# Altium PCB nixie_clock.PcbDoc (part 2 of 2)
Units mm, origin at the board's own origin, x right, y up, seen from the top; angles counter-clockwise.
Board outline 218 x 79.99 mm, 2 copper layers (Top Layer, Bottom Layer); 125 components, 140 nets, 531 pads, 92 vias.
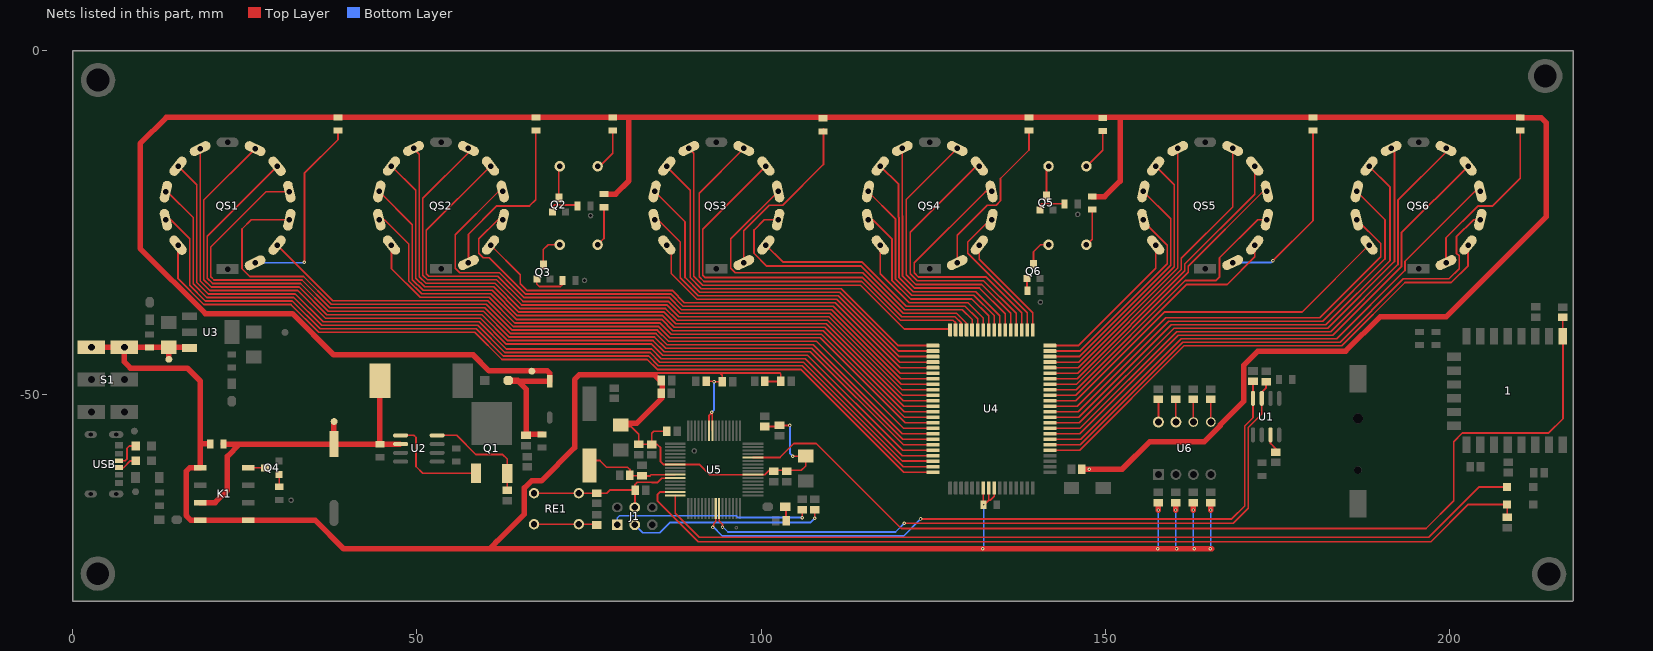
[diagram p2: the nets of this part, all layers, seen from the top]

## Via types
v1: diameter 0.5, hole 0.25, Top Layer to Bottom Layer, 88 vias
v2: diameter 1, hole 0.5, Top Layer to Bottom Layer, 4 vias

## Nets (pads, with @x,y where several pads share a name; then routed paths per layer and width w, separated by ;. In a path a pad name is that pad's centre, name@x,y a point inside that pad or via, vN(x,y) a via of type N, cw(c..) or ccw(c..) an arc to the next point about the centre after c; other vN are vias at no path point) (continued)
NetJ1_1: J1.1 R34.2 | length 29.4
  Top Layer w0.254: v1@105.969,-67.97 v1(105.969,-67.869) R34.2@105.969,-66.688
  Bottom Layer w0.254: J1.1@79.109,-68.874 79.109,-67.88 79.426,-67.564 96.368,-67.564 96.622,-67.818 105.816,-67.818 v1@105.969,-67.97
NetJ1_3: J1.3 R36.2 | length 28.7
  Top Layer w0.254: v1(107.798,-67.92) R36.2@107.798,-66.688
  Bottom Layer w0.254: J1.3@81.649,-68.874 82.818,-70.043 85.253,-70.043 86.741,-68.555 107.163,-68.555 v1(107.798,-67.92)
NetK1_8: K1.8 Q4.3 | length 2.4
  Top Layer w0.254: K1.8@25.527,-60.579 27.953,-60.579 Q4.3@27.965,-60.592
NetP1_1: P1.1 R39.2 | length 2.1
  Top Layer w0.254: P1.1@103.505,-66.243 103.62,-66.358 R39.2@103.62,-68.301
NetQ1_G: Q1.G U2.1 | length 15.7
  Top Layer w0.254: U2.1@47.638,-55.88 49.555,-55.88 49.86,-56.185 49.86,-60.401 50.854,-61.395 Q1.G@58.584,-61.395
NetQ1_S: Q1.S R13.2 U2.8 | length 16.1
  Top Layer w0.254: U2.8@52.946,-55.88 55.784,-55.88 58.578,-58.674 62.459,-58.674 63.105,-59.32 Q1.S@63.105,-61.42 63.105,-63.828 R13.2@63.144,-63.868
NetQ2_1: Q2.1 R11.2 | length 4.4
  Top Layer w0.254: Q2.1@69.672,-23.419 69.672,-22.733 70.002,-22.403 R11.2@73.279,-22.403
NetQ2_3: Q2.3 UP1.2 | length 4.6
  Top Layer w0.254: Q2.3@70.612,-21.387 70.612,-16.938 UP1.2@70.75,-16.8
NetQ3_1: Q3.1 R15.2 | length 5.3
  Top Layer w0.254: Q3.1@67.424,-33.172 67.424,-33.896 67.793,-34.265 70.866,-34.265 71.135,-33.995 R15.2@71.135,-33.376
NetQ3_3: Q3.3 UP2.2 | length 5
  Top Layer w0.254: Q3.3@68.364,-31.14 68.364,-28.892 69.057,-28.2 UP2.2@70.75,-28.2 UP2.2@70.828,-28.278
NetQ4_1: Q4.1 R17.2 | length 1.8
  Top Layer w0.254: R17.2@29.997,-63.348 Q4.1@29.997,-61.531
NetQ5_1: Q5.1 R18.2 | length 4.3
  Top Layer w0.254: Q5.1@140.5,-23.139 140.5,-22.517 140.767,-22.25 R18.2@144.034,-22.25
NetQ5_3: Q5.3 UP3.2 | length 4.4
  Top Layer w0.254: Q5.3@141.44,-21.107 141.44,-17.11 UP3.2@141.75,-16.8
NetQ6_1: Q6.1 R19.2 | length 1.8
  Top Layer w0.254: Q6.1@138.62,-33.071 138.62,-34.821 R19.2@138.674,-34.874
NetQ6_3: Q6.3 UP4.2 | length 4.4
  Top Layer w0.254: Q6.3@139.56,-31.039 139.56,-29.223 140.583,-28.2 UP4.2@141.75,-28.2 UP4.2@141.745,-28.205
NetQS1_2: QS1.2 R1.1 | length 28.3
  Top Layer w0.254: v1(33.655,-30.734) 33.655,-17.831 38.532,-12.954 R1.1@38.532,-11.608
  Bottom Layer w0.254: QS1.2@26.492,-30.814 33.575,-30.814 v1(33.655,-30.734)
NetQS2_2: QS2.2 R2.1 | length 25.9
  Top Layer w0.254: QS2.2@57.492,-30.789 57.492,-26.658 61.6,-22.55 66.35,-22.55 67.259,-21.641 R2.1@67.259,-11.684
NetQS3_2: QS3.2 R3.1 | length 25.4
  Top Layer w0.254: QS3.2@97.492,-30.789 97.492,-26.149 101.191,-22.45 103.133,-22.45 109.068,-16.516 ; 109.068,-16.535 109.068,-16.516 ; R3.1@109.068,-11.339 109.068,-16.516
NetQS4_2: QS4.2 R4.1 | length 24.3
  Top Layer w0.254: QS4.2@128.492,-30.789 128.492,-26.804 132.846,-22.45 134.133,-22.45 134.764,-21.819 134.764,-18.576 138.913,-14.427 R4.1@138.913,-11.593
NetQS5_2: QS5.2 R9.1 | length 27.3
  Top Layer w0.254: v1(174.346,-30.505) 180.162,-24.689 R9.1@180.162,-11.618
  Bottom Layer w0.254: QS5.2@168.492,-30.789 174.062,-30.789 v1(174.346,-30.505)
NetQS6_2: QS6.2 R10.1 | length 24.9
  Top Layer w0.254: QS6.2@199.492,-30.789 199.492,-27.203 204.145,-22.55 206.253,-22.55 210.261,-18.542 R10.1@210.261,-11.618
NetR7_2: R7.2 U1.3 | length 2.8
  Top Layer w0.254: U1.3@173.99,-55.816 173.99,-57.048 174.777,-57.836 R7.2@174.777,-58.305
NetR12_2: R12.2 UP1.1 | length 6.8
  Top Layer w0.254: UP1.1@76.25,-17.271 UP1.1@76.25,-16.8 76.57,-16.8 78.461,-14.91 R12.2@78.461,-11.593
NetR16_2: R16.2 UP2.1 | length 5.8
  Top Layer w0.254: UP2.1@76.25,-28.2 77.165,-27.285 R16.2@77.165,-22.743
NetR20_2: R20.2 UP4.1 | length 5.5
  Top Layer w0.254: UP4.1@147.244,-28.206 UP4.1@147.25,-28.2 148.082,-27.368 R20.2@148.082,-23.099
NetR21_2: R21.2 UP3.1 | length 6.1
  Top Layer w0.254: UP3.1@147.25,-16.8 147.284,-16.8 149.631,-14.453 R21.2@149.631,-11.669
NetR31_1: R31.1 USB.B5 | length 2.8
  Top Layer w0.254: USB.B5@6.724,-60.571 7.374,-60.571 8.357,-59.588 R31.1@9.144,-59.588
NetR32_2: R32.2 USB.A5 | length 4.2
  Top Layer w0.254: USB.A5@6.724,-59.571 7.612,-59.571 7.874,-59.309 7.874,-57.785 8.23,-57.429 R32.2@9.144,-57.429
NetR37_1: R37.1 RE1.3 RE1.4 | length 9.2
  Top Layer w0.254: RE1.3@66.938,-68.784 RE1.3@67.014,-68.784 RE1.4@73.514,-68.784 75.985,-68.784 R37.1@76.098,-68.898
NetR49_1: R49.1 U6.8 | length 3.3
  Top Layer w0.254: U6.8@157.709,-53.95 R49.1@157.709,-50.661
NetR50_1: R50.1 U6.7 | length 3.3
  Top Layer w0.254: R50.1@160.24,-50.661 160.24,-53.941 U6.7@160.249,-53.95
NetR51_1: R51.1 U6.6 | length 3.3
  Top Layer w0.254: R51.1@162.772,-50.661 162.772,-53.933 U6.6@162.789,-53.95
NetR52_1: R52.1 U6.5 | length 3.3
  Top Layer w0.254: R52.1@165.303,-50.661 165.303,-53.924 U6.5@165.329,-53.95
NH1_0: QS1.3 U4.15 | length 105.9
  Top Layer w0.254: QS1.3@29.693,-28.262 37.771,-36.34 60.296,-36.34 64.037,-40.081 85.142,-40.081 86.754,-41.693 108.564,-41.693 120.916,-54.045 U4.15@124.962,-54.045
NH1_1: QS1.13 U4.24 | length 126.2
  Top Layer w0.254: QS1.13@15.307,-28.262 15.307,-33.119 19.059,-36.87 31.7,-36.87 35.741,-40.912 58.402,-40.912 62.353,-44.863 83.458,-44.863 84.9,-46.304 105.766,-46.304 120.706,-61.245 U4.24@124.962,-61.245
NH1_2: QS1.12 U4.23 | length 130.3
  Top Layer w0.254: QS1.12@13.531,-24.573 14.26,-24.573 17.002,-27.315 17.002,-34.095 19.269,-36.362 31.91,-36.362 35.951,-40.404 58.612,-40.404 62.564,-44.355 83.669,-44.355 85.07,-45.757 105.947,-45.757 120.635,-60.445 U4.23@124.962,-60.445
NH1_3: QS1.11 U4.22 | length 133.2
  Top Layer w0.254: QS1.11@13.531,-20.478 13.747,-20.478 17.51,-24.241 17.51,-33.885 19.48,-35.854 32.121,-35.854 36.162,-39.896 58.823,-39.896 62.774,-43.847 83.879,-43.847 85.281,-45.249 106.158,-45.249 120.523,-59.614 U4.22@124.917,-59.614
NH1_4: QS1.10 U4.21 | length 135.6
  Top Layer w0.254: QS1.10@15.307,-16.789 18.018,-19.5 18.018,-33.675 19.69,-35.346 32.331,-35.346 36.372,-39.388 59.033,-39.388 62.985,-43.339 84.089,-43.339 85.491,-44.741 106.412,-44.741 120.523,-58.852 U4.21@125.171,-58.852
NH1_5: QS1.9 U4.20 | length 135.9
  Top Layer w0.254: QS1.9@18.508,-14.236 18.526,-14.254 18.526,-33.464 19.901,-34.838 32.678,-34.838 36.719,-38.88 59.244,-38.88 62.985,-42.621 84.09,-42.621 85.702,-44.233 106.742,-44.233 120.554,-58.045 U4.20@124.962,-58.045
NH1_6: QS1.7 U4.19 | length 138
  Top Layer w0.254: QS1.7@26.492,-14.236 19.034,-21.694 19.034,-33.254 20.111,-34.33 32.888,-34.33 36.929,-38.372 59.454,-38.372 63.196,-42.113 84.301,-42.113 85.912,-43.725 107.159,-43.725 120.679,-57.245 U4.19@124.962,-57.245
NH1_7: QS1.6 U4.18 | length 135.6
  Top Layer w0.254: QS1.6@29.693,-16.789 19.542,-26.94 19.542,-33.043 20.321,-33.822 33.098,-33.822 37.14,-37.864 59.665,-37.864 63.406,-41.605 84.511,-41.605 86.122,-43.217 107.37,-43.217 120.598,-56.445 U4.18@124.962,-56.445
NH1_8: QS1.5 U4.17 | length 133.4
  Top Layer w0.254: QS1.5@31.469,-20.478 28.087,-20.478 20.05,-28.515 20.05,-32.833 20.532,-33.314 33.309,-33.314 37.35,-37.356 59.875,-37.356 63.617,-41.097 84.721,-41.097 86.333,-42.709 107.58,-42.709 120.516,-55.645 U4.17@124.962,-55.645
NH1_9: QS1.4 U4.16 | length 123
  Top Layer w0.254: QS1.4@31.469,-24.573 25.923,-24.573 24.585,-25.91 24.585,-31.659 25.732,-32.806 33.519,-32.806 37.56,-36.848 60.085,-36.848 63.827,-40.589 84.932,-40.589 86.543,-42.201 108.037,-42.201 120.675,-54.839 U4.16@124.816,-54.839
NH2_0: QS2.3 U4.5 | length 72.4
  Top Layer w0.254: QS2.3@60.693,-28.236 65.024,-32.567 65.024,-33.884 65.964,-34.823 87.069,-34.823 88.858,-36.613 110.755,-36.613 120.187,-46.045 U4.5@124.962,-46.045
NH2_1: QS2.13 U4.14 | length 91
  Top Layer w0.254: QS2.13@46.307,-28.236 46.307,-31.656 50.482,-35.832 60.506,-35.832 64.248,-39.573 85.353,-39.573 86.964,-41.185 108.774,-41.185 120.834,-53.245 U4.14@124.962,-53.245
NH2_2: QS2.12 U4.13 | length 95.1
  Top Layer w0.254: QS2.12@44.531,-24.547 45.299,-24.547 48.832,-28.08 48.832,-33.462 50.693,-35.324 60.717,-35.324 64.433,-39.04 85.538,-39.04 87.175,-40.677 109.014,-40.677 120.782,-52.445 U4.13@124.962,-52.445
NH2_3: QS2.11 U4.12 | length 98
  Top Layer w0.254: QS2.11@44.531,-20.453 49.34,-25.262 49.34,-33.252 50.903,-34.816 60.927,-34.816 64.592,-38.481 85.697,-38.481 87.385,-40.169 109.224,-40.169 120.7,-51.645 U4.12@124.962,-51.645
NH2_4: QS2.10 U4.11 | length 100.2
  Top Layer w0.254: QS2.10@46.307,-16.764 49.848,-20.304 49.848,-33.042 51.113,-34.308 61.137,-34.308 64.803,-37.973 85.908,-37.973 87.595,-39.661 109.435,-39.661 120.619,-50.845 U4.11@124.962,-50.845
NH2_5: QS2.9 U4.10 | length 100.7
  Top Layer w0.254: QS2.9@49.508,-14.211 50.356,-15.058 50.356,-32.831 51.324,-33.8 61.348,-33.8 65.013,-37.465 86.118,-37.465 87.806,-39.153 109.645,-39.153 120.537,-50.045 U4.10@124.962,-50.045
NH2_6: QS2.7 U4.9 | length 102.1
  Top Layer w0.254: QS2.7@57.492,-14.211 57.492,-14.822 50.864,-21.45 50.864,-32.621 51.534,-33.292 61.558,-33.292 65.198,-36.932 86.303,-36.932 88.016,-38.645 109.856,-38.645 120.456,-49.245 U4.9@124.962,-49.245
NH2_7: QS2.6 U4.8 | length 99.7
  Top Layer w0.254: QS2.6@60.693,-16.764 51.372,-26.085 51.372,-32.41 51.745,-32.784 61.769,-32.784 65.409,-36.424 86.514,-36.424 88.227,-38.137 110.066,-38.137 120.374,-48.445 U4.8@124.962,-48.445
NH2_8: QS2.5 U4.7 | length 90.3
  Top Layer w0.254: QS2.5@62.469,-20.453 61.856,-20.453 55.585,-26.724 55.585,-31.633 56.227,-32.276 61.994,-32.276 63.932,-34.214 ; 64.008,-34.304 65.543,-35.839 86.648,-35.839 88.437,-37.629 110.276,-37.629 120.292,-47.645 U4.7@124.962,-47.645
NH2_9: QS2.4 U4.6 | length 79.9
  Top Layer w0.254: QS2.4@62.469,-24.547 61.775,-24.547 58.998,-27.324 58.998,-29.409 59.662,-30.074 60.496,-30.074 62.19,-31.768 62.204,-31.768 64.44,-34.003 64.44,-34.018 65.753,-35.331 86.858,-35.331 88.647,-37.121 110.487,-37.121 120.211,-46.845 U4.6@124.962,-46.845
NH3_0: QS3.3 U4.75 | length 36.8
  Top Layer w0.254: QS3.3@100.693,-28.236 103.14,-30.683 114.63,-30.683 121.082,-37.135 129.616,-37.135 131.452,-38.97 U4.75@131.452,-40.555
NH3_1: QS3.13 U4.4 | length 47.7
  Top Layer w0.254: QS3.13@86.307,-28.236 86.944,-28.873 86.944,-32.37 90.679,-36.105 111.013,-36.105 120.153,-45.245 U4.4@124.962,-45.245
NH3_2: QS3.12 U4.3 | length 51.7
  Top Layer w0.254: QS3.12@84.531,-24.547 85.025,-24.547 88.265,-27.788 88.265,-32.973 90.889,-35.597 111.223,-35.597 120.071,-44.445 U4.3@124.962,-44.445
NH3_3: QS3.11 U4.2 | length 54.9
  Top Layer w0.254: QS3.11@84.531,-20.453 88.951,-24.873 88.951,-32.94 91.099,-35.089 111.434,-35.089 119.982,-43.637 124.358,-43.637 124.51,-43.789 124.818,-43.789 U4.2@124.962,-43.645
NH3_4: QS3.10 U4.1 | length 57
  Top Layer w0.254: QS3.10@86.307,-16.764 86.307,-16.889 89.687,-20.269 89.687,-32.958 91.31,-34.581 111.644,-34.581 119.908,-42.845 U4.1@124.962,-42.845
NH3_5: QS3.9 U4.80 | length 59.7
  Top Layer w0.254: QS3.9@89.508,-14.211 90.195,-14.898 90.195,-32.748 91.52,-34.073 114.428,-34.073 120.792,-40.437 127.192,-40.437 127.452,-40.177 U4.80@127.452,-40.555
NH3_6: QS3.7 U4.79 | length 62.3
  Top Layer w0.254: QS3.7@97.492,-14.211 91.011,-20.692 91.011,-32.845 91.694,-33.528 114.601,-33.528 120.24,-39.167 127.878,-39.167 128.252,-39.541 U4.79@128.252,-40.555
NH3_7: QS3.6 U4.78 | length 61.1
  Top Layer w0.254: QS3.6@100.693,-16.764 91.519,-25.938 91.519,-32.616 91.872,-32.969 114.761,-32.969 120.451,-38.659 128.161,-38.659 129.052,-39.549 U4.78@129.052,-40.555
NH3_8: QS3.5 U4.77 | length 52.5
  Top Layer w0.254: QS3.5@102.469,-20.453 95.585,-27.337 95.585,-31.633 96.227,-32.276 114.786,-32.276 120.661,-38.151 128.372,-38.151 129.852,-39.631 U4.77@129.852,-40.555
NH3_9: QS3.4 U4.76 | length 44.7
  Top Layer w0.254: QS3.4@102.469,-24.547 100.472,-24.547 98.958,-26.06 98.958,-29.439 100.813,-31.293 114.521,-31.293 120.871,-37.643 129.235,-37.643 130.652,-39.059 U4.76@130.652,-40.555
NH4_0: QS4.3 U4.65 | length 15.5
  Top Layer w0.254: QS4.3@131.693,-28.236 131.693,-30.296 139.452,-38.055 U4.65@139.452,-40.555
NH4_1: QS4.13 U4.74 | length 23.5
  Top Layer w0.254: QS4.13@117.307,-28.236 117.307,-32.395 121.539,-36.627 130.048,-36.627 132.252,-38.83 U4.74@132.252,-40.555
NH4_2: QS4.12 U4.73 | length 28.9
  Top Layer w0.254: QS4.12@115.531,-24.547 116.241,-24.547 119.002,-27.308 119.002,-29.409 118.999,-29.413 118.999,-33.348 121.719,-36.068 130.607,-36.068 133.052,-38.513 U4.73@133.052,-40.555
NH4_3: QS4.11 U4.72 | length 33
  Top Layer w0.254: QS4.11@115.531,-20.453 119.51,-24.432 119.51,-29.62 119.507,-29.623 119.507,-33.138 121.904,-35.535 130.912,-35.535 133.852,-38.475 U4.72@133.852,-40.555
NH4_4: QS4.10 U4.71 | length 36.3
  Top Layer w0.254: QS4.10@117.307,-16.764 119.964,-19.421 119.964,-24.168 120.018,-24.222 120.018,-32.931 122.114,-35.027 131.166,-35.027 134.652,-38.513 U4.71@134.652,-40.555
NH4_5: QS4.9 U4.70 | length 38.1
  Top Layer w0.254: QS4.9@120.508,-14.211 120.508,-23.994 120.526,-24.011 120.526,-32.72 122.299,-34.493 131.724,-34.493 135.452,-38.22 U4.70@135.452,-40.555
NH4_6: QS4.7 U4.69 | length 41.3
  Top Layer w0.254: QS4.7@128.492,-14.211 121.082,-21.621 121.082,-32.557 122.484,-33.96 132.055,-33.96 136.252,-38.157 U4.69@136.252,-40.555
NH4_7: QS4.6 U4.68 | length 40.2
  Top Layer w0.254: QS4.6@131.693,-16.764 131.267,-16.764 121.666,-26.365 121.666,-32.423 122.669,-33.426 132.309,-33.426 137.052,-38.169 U4.68@137.052,-40.555
NH4_8: QS4.5 U4.67 | length 37.5
  Top Layer w0.254: QS4.5@133.469,-20.453 132.608,-20.453 122.25,-30.81 122.25,-32.289 122.854,-32.893 132.69,-32.893 137.852,-38.055 U4.67@137.852,-40.555
NH4_9: QS4.4 U4.66 | length 21.2
  Top Layer w0.254: QS4.4@133.469,-24.547 133.238,-24.547 129.998,-27.787 129.998,-29.409 138.652,-38.063 U4.66@138.652,-40.555
NH5_0: QS5.3 U4.55 | length 39.8
  Top Layer w0.254: U4.55@141.942,-50.045 145.688,-50.045 161.747,-33.985 167.665,-33.985 171.693,-29.958 QS5.3@171.693,-28.236
NH5_1: QS5.13 U4.64 | length 23.4
  Top Layer w0.254: U4.64@141.942,-42.845 146.055,-42.845 157.307,-31.593 QS5.13@157.307,-28.236
NH5_2: QS5.12 U4.63 | length 30.2
  Top Layer w0.254: U4.63@141.942,-43.645 146.304,-43.645 159.002,-30.946 159.002,-28.244 155.531,-24.773 QS5.12@155.531,-24.547
NH5_3: QS5.11 U4.62 | length 35.4
  Top Layer w0.254: U4.62@141.942,-44.445 146.223,-44.445 159.51,-31.157 159.51,-24.432 QS5.11@155.531,-20.453
NH5_4: QS5.10 U4.61 | length 39.6
  Top Layer w0.254: U4.61@141.942,-45.245 146.141,-45.245 160.018,-31.367 160.018,-19.475 QS5.10@157.307,-16.764
NH5_5: QS5.9 U4.60 | length 42
  Top Layer w0.254: U4.60@141.942,-46.045 146.059,-46.045 160.526,-31.578 160.526,-19.265 160.508,-19.247 QS5.9@160.508,-14.211
NH5_6: QS5.7 U4.59 | length 46
  Top Layer w0.254: U4.59@141.942,-46.845 145.978,-46.845 161.034,-31.788 161.034,-30.172 168.492,-22.714 QS5.7@168.492,-14.211
NH5_7: QS5.6 U4.58 | length 45.5
  Top Layer w0.254: U4.58@141.942,-47.645 145.896,-47.645 161.542,-31.999 161.542,-30.99 171.693,-20.839 QS5.6@171.693,-16.764
NH5_8: QS5.5 U4.57 | length 43.6
  Top Layer w0.254: U4.57@141.942,-48.445 145.815,-48.445 162.05,-32.209 162.05,-31.311 172.908,-20.453 QS5.5@173.469,-20.453
NH5_9: QS5.4 U4.56 | length 43.4
  Top Layer w0.254: U4.56@141.942,-49.245 145.769,-49.245 161.638,-33.376 166.091,-33.376 166.573,-32.893 166.573,-30.124 172.15,-24.547 QS5.4@173.469,-24.547
NH6_0: QS6.3 U4.45 | length 74.9
  Top Layer w0.254: U4.45@141.942,-58.045 146.262,-58.045 161.431,-42.875 184.328,-42.875 193.523,-33.68 200.254,-33.68 202.693,-31.241 QS6.3@202.693,-28.236
NH6_1: QS6.13 U4.54 | length 55.7
  Top Layer w0.254: U4.54@141.942,-50.845 145.683,-50.845 158.554,-37.973 178.57,-37.973 QS6.13@188.307,-28.236
NH6_2: QS6.12 U4.53 | length 63.9
  Top Layer w0.254: U4.53@141.942,-51.645 145.899,-51.645 158.757,-38.786 181.153,-38.786 190.002,-29.936 190.002,-28.019 QS6.12@186.531,-24.547
NH6_3: QS6.11 U4.52 | length 69.4
  Top Layer w0.254: U4.52@141.942,-52.445 146.056,-52.445 159.207,-39.294 181.585,-39.294 190.627,-30.251 190.627,-24.549 QS6.11@186.531,-20.453
NH6_4: QS6.10 U4.51 | length 73.8
  Top Layer w0.254: U4.51@141.942,-53.245 146.12,-53.245 159.563,-39.802 182.042,-39.802 191.364,-30.48 191.364,-19.82 QS6.10@188.307,-16.764
NH6_5: QS6.9 U4.50 | length 76.4
  Top Layer w0.254: U4.50@141.942,-54.045 146.234,-54.045 159.969,-40.31 182.296,-40.31 191.995,-30.611 191.995,-14.698 QS6.9@191.508,-14.211
NH6_6: QS6.7 U4.49 | length 80.2
  Top Layer w0.254: U4.49@141.942,-54.845 146.323,-54.845 160.35,-40.818 182.753,-40.818 192.503,-31.068 192.503,-21.721 199.492,-14.732 QS6.7@199.492,-14.211
NH6_7: QS6.6 U4.48 | length 79.7
  Top Layer w0.254: U4.48@141.942,-55.645 146.285,-55.645 160.604,-41.326 183.058,-41.326 193.011,-31.373 193.011,-26.446 QS6.6@202.693,-16.764
NH6_8: QS6.5 U4.47 | length 78.2
  Top Layer w0.254: U4.47@141.942,-56.445 146.425,-56.445 161.036,-41.834 183.617,-41.834 193.519,-31.931 193.519,-30.619 203.685,-20.453 QS6.5@204.469,-20.453
NH6_9: QS6.4 U4.46 | length 79.3
  Top Layer w0.254: U4.46@141.942,-57.245 146.344,-57.245 161.246,-42.342 184.099,-42.342 193.294,-33.147 199.923,-33.147 201.399,-31.672 201.399,-29.81 200.998,-29.409 200.998,-27.043 203.494,-24.547 QS6.4@204.469,-24.547
RESET: C12.2 J1.4 R35.1 RE1.1 RE1.2 U5.11 | length 24.5
  Top Layer w0.254: RE1.1@66.938,-64.284 RE1.1@67.014,-64.284 RE1.2@73.514,-64.284 76.113,-64.284 C12.2@76.124,-64.274 77.585,-64.274 78.029,-63.83 R35.1@81.675,-63.83 ; J1.4@81.675,-66.334 R35.1@81.675,-63.83 ; U5.11@87.512,-62.097 85.578,-62.097 84.963,-62.713 84.107,-62.713 84.081,-62.687 82.017,-62.687 81.675,-63.029 R35.1@81.675,-63.83
RESET_ESP: 1.9 R30.2 U5.44 | length 150
  Top Layer w0.254: U5.44@98.812,-59.097 102.726,-59.097 ; 102.718,-59.106 102.726,-59.097 ; R30.2@216.459,-38.748 216.459,-41.703 216.485,-41.729 216.485,-53.466 214.427,-55.524 201.873,-55.524 200.603,-56.794 200.603,-65.386 196.571,-69.418 120.342,-69.418 107.988,-57.064 104.759,-57.064 102.726,-59.097
RXD1: D2.2 U5.16 | length 127.9
  Top Layer w0.254: U5.16@87.512,-64.597 87.512,-65.482 87.521,-65.492 87.521,-67.176 91.034,-70.688 196.977,-70.688 204.267,-63.398 D2.2@208.356,-63.398
SCL: R6.1 U1.8 U5.25 | length 101.2
  Top Layer w0.254: v1(92.977,-69.253) 92.977,-69.101 93.116,-68.961 93.116,-68.682 93.412,-68.386 U5.25@93.412,-66.497 ; v1(123.165,-68.021) 168.377,-68.021 170.261,-66.137 170.261,-54.524 171.45,-53.335 U1.8@171.45,-50.508 R6.1@171.45,-48.031
  Bottom Layer w0.254: v1@92.977,-69.101 94.386,-70.51 120.675,-70.51 v1(123.165,-68.021)
SDA: R5.1 U1.7 U5.26 | length 100.6
  Top Layer w0.254: U5.26@93.912,-66.497 93.912,-68.334 94.386,-68.809 v1(94.386,-69.24) ; v1@120.752,-68.656 v1(120.777,-68.656) 168.58,-68.656 170.769,-66.467 170.769,-54.734 172.72,-52.783 U1.7@172.72,-50.508 172.72,-49.606 173.355,-48.971 R5.1@173.355,-48.082
  Bottom Layer w0.254: v1@94.386,-69.113 95.195,-69.922 119.511,-69.922 v1(120.777,-68.656)
TXD1: D3.1 R24.2 U5.15 | length 133.6
  Top Layer w0.254: U5.15@87.512,-64.097 85.356,-64.097 84.938,-64.516 84.938,-65.38 90.881,-71.323 197.307,-71.323 202.717,-65.913 D3.1@208.356,-65.913 208.382,-65.938 R24.2@208.382,-67.793
VCC: C8.1 C10.1 C11.1 C13.2 C14.1 C15.1 C16.1 C17.1 C18.1 C19.1 K1.1 K1.4 K1.5 R27.1 R41.2 R42.2 R43.2 R44.2 R45.2 R46.2 R47.2 R53.1 R54.1 R55.1 R56.1 R101.2 S1.3 S1.4 TS_USBPOWERIN_1.1 U3.3 U4.31 U4.32 U4.33 U5.7 U5.39 U5.57 U5.58 | length 381.1
  Top Layer w0.254: C16.1@79.603,-54.385 79.803,-54.585 81.077,-54.585 82.22,-55.728 C14.1@82.22,-57.187 C15.1@84.099,-57.187 ; C15.1@84.099,-57.213 C15.1@84.099,-57.187 ; 84.353,-46.965 84.506,-46.812 102.692,-46.812 102.857,-46.977 R45.2@102.857,-47.625 ; R41.2@86.296,-55.296 84.404,-55.296 84.099,-55.601 C15.1@84.099,-57.187 ; C11.1@92.026,-48.006 v1@93.167,-48.006 ; U5.58@92.412,-55.197 92.412,-53.01 v1@92.874,-52.548 ; v1(92.836,-52.51) v1@92.874,-52.548 ; U5.57@92.912,-55.197 92.912,-52.586 v1@92.874,-52.548 ; v1(93.167,-48.082) C10.1@94.348,-48.082 94.348,-47.129 94.144,-46.925 ; R47.2@100.508,-54.598 102.513,-54.598 R46.2@102.667,-54.444 v1(104.177,-54.444) ; R44.2@100.521,-47.549 101.029,-48.057 102.425,-48.057 R45.2@102.857,-47.625 ; R45.2@102.857,-48.006 R45.2@102.857,-47.625 ; v1(104.575,-58.906) C19.1@106.477,-58.906 106.477,-60.325 105.855,-60.947 101.194,-60.947 100.544,-61.597 U5.39@98.812,-61.597 92.509,-61.597 91.009,-60.097 U5.7@87.512,-60.097 85.777,-60.097 85.395,-59.715 85.395,-57.709 84.899,-57.213 84.531,-57.213 84.506,-57.187 C15.1@84.099,-57.187 ; U4.31@132.252,-63.535 132.252,-65.891 v1(132.324,-65.964) 132.385,-65.964 133.052,-65.297 ; U4.32@133.052,-63.535 133.052,-65.297 ; U4.33@133.852,-63.535 133.852,-64.726 133.629,-64.948 133.622,-64.948 133.272,-65.297 133.052,-65.297
  Top Layer w0.8: S1.4@2.718,-43.077 S1.3@7.493,-43.077 ; TS_USBPOWERIN_1.1@13.97,-44.831 C8.1@13.97,-43.077 ; C8.1@13.97,-43.075 C8.1@13.97,-43.077 ; U3.3@16.967,-43.194 16.851,-43.077 C8.1@13.97,-43.077 ; R101.2@19.98,-57.125 18.552,-57.125 18.527,-57.15 ; 60.706,-72.212 61.481,-71.438 ; 61.62,-71.298 65.608,-67.31 65.608,-63.525 66.142,-62.992 ; 65.86,-63.299 66.675,-62.484 68.072,-62.484 72.899,-57.657 72.899,-47.777 73.609,-47.066 84.455,-47.066 85.623,-48.234 R43.2@85.623,-49.287 ; C16.1@80.061,-54.102 81.94,-54.102 85.539,-50.503 ; v1(157.683,-66.726) R53.1@157.683,-65.66 ; v1(160.223,-66.726) R54.1@160.223,-65.66 ; v1(162.763,-66.726) R55.1@162.763,-65.66 ; v1(165.303,-66.726) R56.1@165.303,-65.66 ; v1@165.481,-72.365 v1(165.252,-72.365) v1(162.916,-72.365) v1(160.35,-72.365) v1(157.632,-72.365) v1(132.207,-72.365) 39.37,-72.365 35.204,-68.199 K1.5@25.527,-68.199 K1.4@18.527,-68.199 17.145,-68.199 16.554,-67.608 16.554,-67.534 16.51,-67.49 16.51,-61.087 17.018,-60.579 K1.1@18.527,-60.579 18.527,-57.15 ; S1.3@7.493,-43.077 S1.3@7.518,-43.077 C8.1@13.97,-43.077 ; S1.3@7.493,-43.077 7.493,-45.212 8.382,-46.101 16.637,-46.101 18.527,-47.991 18.527,-57.15
  Bottom Layer w0.254: v1(92.836,-52.51) 93.167,-52.178 v1(93.167,-48.082) ; v1(104.177,-54.444) 104.177,-58.508 v1(104.575,-58.906) ; v1(132.207,-72.365) 132.324,-72.095 v1(132.324,-65.964) ; v1(157.632,-72.365) 157.683,-72.161 v1(157.683,-66.726) ; v1(160.223,-66.726) 160.223,-72.187 v1(160.35,-72.365) ; v1(162.763,-66.726) 162.763,-72.161 v1(162.916,-72.365) ; v1(165.252,-72.365) 165.303,-72.314 v1(165.303,-66.726)
VCC_SWITCH: C1.1 E1.1 K1.3 L1.1 R101.1 TS_BOOST_IN_1.1 U2.2 | length 50.3
  Top Layer w0.8: K1.3@18.527,-65.659 20.701,-65.659 22.479,-63.881 22.479,-58.928 24.253,-57.154 ; R101.1@21.88,-57.125 21.909,-57.154 24.253,-57.154 ; TS_BOOST_IN_1.1@37.973,-53.873 37.948,-53.899 E1.1@37.948,-57.154 ; C1.1@44.628,-57.165 C1.1@44.628,-57.154 ; L1.1@44.648,-47.93 44.628,-47.95 C1.1@44.628,-57.154 ; U2.2@47.515,-57.154 C1.1@44.628,-57.154 ; 24.253,-57.154 E1.1@37.948,-57.154 ; E1.1@37.948,-57.154 C1.1@44.628,-57.154
VH: C3.2 D1.2 E2.1 R1.2 R2.2 R3.2 R4.2 R8.2 R9.2 R10.2 R12.1 R16.1 R20.1 R21.1 R33.1 TS_BOOST_OUT_1.1 | length 435.2
  Top Layer w0.8: R8.2@65.837,-55.882 R8.2@65.862,-55.856 ; C3.2@68.174,-55.733 65.986,-55.733 R8.2@65.862,-55.856 ; R16.1@77.165,-20.843 78.852,-20.843 80.772,-18.923 80.772,-9.703 ; R33.1@146.583,-60.808 v1(147.649,-60.808) 152.451,-60.808 156.464,-56.794 164.399,-56.794 166.683,-54.51 166.683,-54.374 170.096,-50.96 170.096,-45.711 172.15,-43.656 184.918,-43.656 189.941,-38.633 199.555,-38.633 214.071,-24.117 214.071,-10.49 213.299,-9.718 R10.2@210.261,-9.718 ; R20.1@148.082,-21.199 149.896,-21.199 152.146,-18.948 152.146,-9.703 ; R10.2@210.287,-9.703 152.146,-9.703 ; 64.711,-47.998 63.352,-47.998 D1.2@63.259,-47.904 64.618,-47.904 64.711,-47.998 ; 64.711,-47.998 E2.1@69.291,-47.998 69.291,-46.838 68.961,-46.507 60.503,-46.507 58.166,-44.171 37.895,-44.171 31.926,-38.202 19.286,-38.202 9.804,-28.72 9.804,-13.513 13.614,-9.703 80.772,-9.703 ; 64.711,-47.998 65.862,-49.149 R8.2@65.862,-55.856 ; 80.772,-9.703 152.146,-9.703
XTAL: C21.2 R38.2 U5.10 Y1.2 | length 14
  Top Layer w0.254: Y1.2@75.061,-59.55 76.594,-59.55 77.546,-60.503 80.594,-60.503 80.938,-60.846 C21.2@80.938,-61.697 80.977,-61.735 R38.2@82.702,-61.735 ; R38.2@82.741,-61.481 83.058,-61.798 83.811,-61.798 84.012,-61.597 U5.10@87.512,-61.597
pads on no net: 1.3 1.5 1.6 1.10 1.12 1.13 1.14 1.15 1.17 1.18 1.19 1.20 1.21 1.22 CR1.0 J1.5 K1.6 QS1.1 QS1.8 QS2.1 QS2.8 QS3.1 QS3.8 QS4.1 QS4.8 QS5.1 QS5.8 QS6.1 QS6.8 S1.1 S1.6 U1.1 U1.4 U4.36 U4.37 U4.38 U4.39 U4.41 U4.42 U4.43 U4.44 U5.1 U5.2 U5.4 U5.5 U5.6 U5.12 U5.13 U5.14 U5.17 U5.18 U5.19 U5.21 U5.22 U5.23 U5.24 U5.27 U5.28 U5.29 U5.30 U5.35 U5.36 U5.37 U5.40 U5.41 U5.43 U5.45 U5.47 U5.52 U5.61 USB.1 USB.2 USB.3 USB.4
copper on no net: | length 0.8
  Top Layer w0.254: 87.427,-4.394 ccw(c87.3,-4.394) 87.427,-4.394

## Polygon pours and split planes (outlines as drawn)
GND on Top Layer "GND_top" (solid, pour order 0): 0,0 0.006,-0.006 217.983,-0.006 217.983,-79.897 217.87,-80.01 0,-80.01
GND on Bottom Layer "GND_bottom" (solid, pour order 2): 0,-0.025 0.019,-0.006 217.983,-0.006 217.983,-79.897 217.87,-80.01 0,-80.01

## Other copper
Top Layer:
  text "5" at 190.424,-5.334 h5
  text "6" at 199.161,-5.588 h6
  text "5" at 27.94,-5.613 h5
  text "6" at 19.507,-5.664 h6
  text "6" at 34.722,-5.791 h6
  text "6" at 183.439,-5.842 h6
  text "3" at 49.936,-6.426 h12
  text "3" at 49.936,-6.502 h12
  text "3" at 59.936,-6.502 h12
  text "3" at 69.936,-6.502 h12
  text "3" at 79.936,-6.502 h12
  text "3" at 89.936,-6.502 h12
  text "3" at 99.936,-6.502 h12
  text "3" at 109.936,-6.502 h12
  text "3" at 119.936,-6.502 h12
  text "3" at 129.936,-6.502 h12
  text "3" at 139.936,-6.502 h12
  text "3" at 149.936,-6.502 h12
  text "0" at 170.942,-6.604 h7
  text "0" at 42.494,-6.655 h7
  text "4" at 209.702,-7.899 h10
  text "4" at 8.357,-8.103 h10
  text "Designed by Alex" at 187.02,-73.685 h1.52
  text "3" at 9.373,-79.477 h12
  text "3" at 9.398,-79.477 h12
  text "3" at 21.398,-79.477 h12
  text "3" at 33.398,-79.477 h12
  text "3" at 45.398,-79.477 h12
  text "3" at 57.398,-79.477 h12
  text "3" at 69.398,-79.477 h12
  text "3" at 81.398,-79.477 h12
  text "3" at 93.398,-79.477 h12
  text "3" at 105.398,-79.477 h12
  text "3" at 117.398,-79.477 h12
  text "3" at 129.398,-79.477 h12
  text "3" at 141.398,-79.477 h12
  text "3" at 153.398,-79.477 h12
  text "3" at 165.398,-79.477 h12
  text "3" at 177.398,-79.477 h12
  text "3" at 189.398,-79.477 h12

## Silkscreen, mask and mechanical layers (free items; w line width, h text height)
Top Solder:
  circle w0.254: c87.3,-4.394 r0.127
  text "5" at 190.424,-5.334 h5
  text "6" at 199.161,-5.588 h6
  text "5" at 27.94,-5.613 h5
  text "6" at 19.507,-5.664 h6
  text "6" at 34.722,-5.791 h6
  text "6" at 183.439,-5.842 h6
  text "3" at 49.936,-6.426 h12
  text "3" at 49.936,-6.502 h12
  text "3" at 59.936,-6.502 h12
  text "3" at 69.936,-6.502 h12
  text "3" at 79.936,-6.502 h12
  text "3" at 89.936,-6.502 h12
  text "3" at 99.936,-6.502 h12
  text "3" at 109.936,-6.502 h12
  text "3" at 119.936,-6.502 h12
  text "3" at 129.936,-6.502 h12
  text "3" at 139.936,-6.502 h12
  text "3" at 149.936,-6.502 h12
  text "0" at 170.942,-6.604 h7
  text "0" at 42.494,-6.655 h7
  text "4" at 209.702,-7.899 h10
  text "4" at 8.357,-8.103 h10
  text "Designed by Alex" at 187.02,-73.685 h1.52
  text "3" at 9.373,-79.477 h12
  text "3" at 9.398,-79.477 h12
  text "3" at 21.398,-79.477 h12
  text "3" at 33.398,-79.477 h12
  text "3" at 45.398,-79.477 h12
  text "3" at 57.398,-79.477 h12
  text "3" at 69.398,-79.477 h12
  text "3" at 81.398,-79.477 h12
  text "3" at 93.398,-79.477 h12
  text "3" at 105.398,-79.477 h12
  text "3" at 117.398,-79.477 h12
  text "3" at 129.398,-79.477 h12
  text "3" at 141.398,-79.477 h12
  text "3" at 153.398,-79.477 h12
  text "3" at 165.398,-79.477 h12
  text "3" at 177.398,-79.477 h12
  text "3" at 189.398,-79.477 h12
Mechanical 1:
  the board outline again, w0.254